# Altium PCB AVALON_hashunit.PcbDoc (part 4 of 5) (continued)
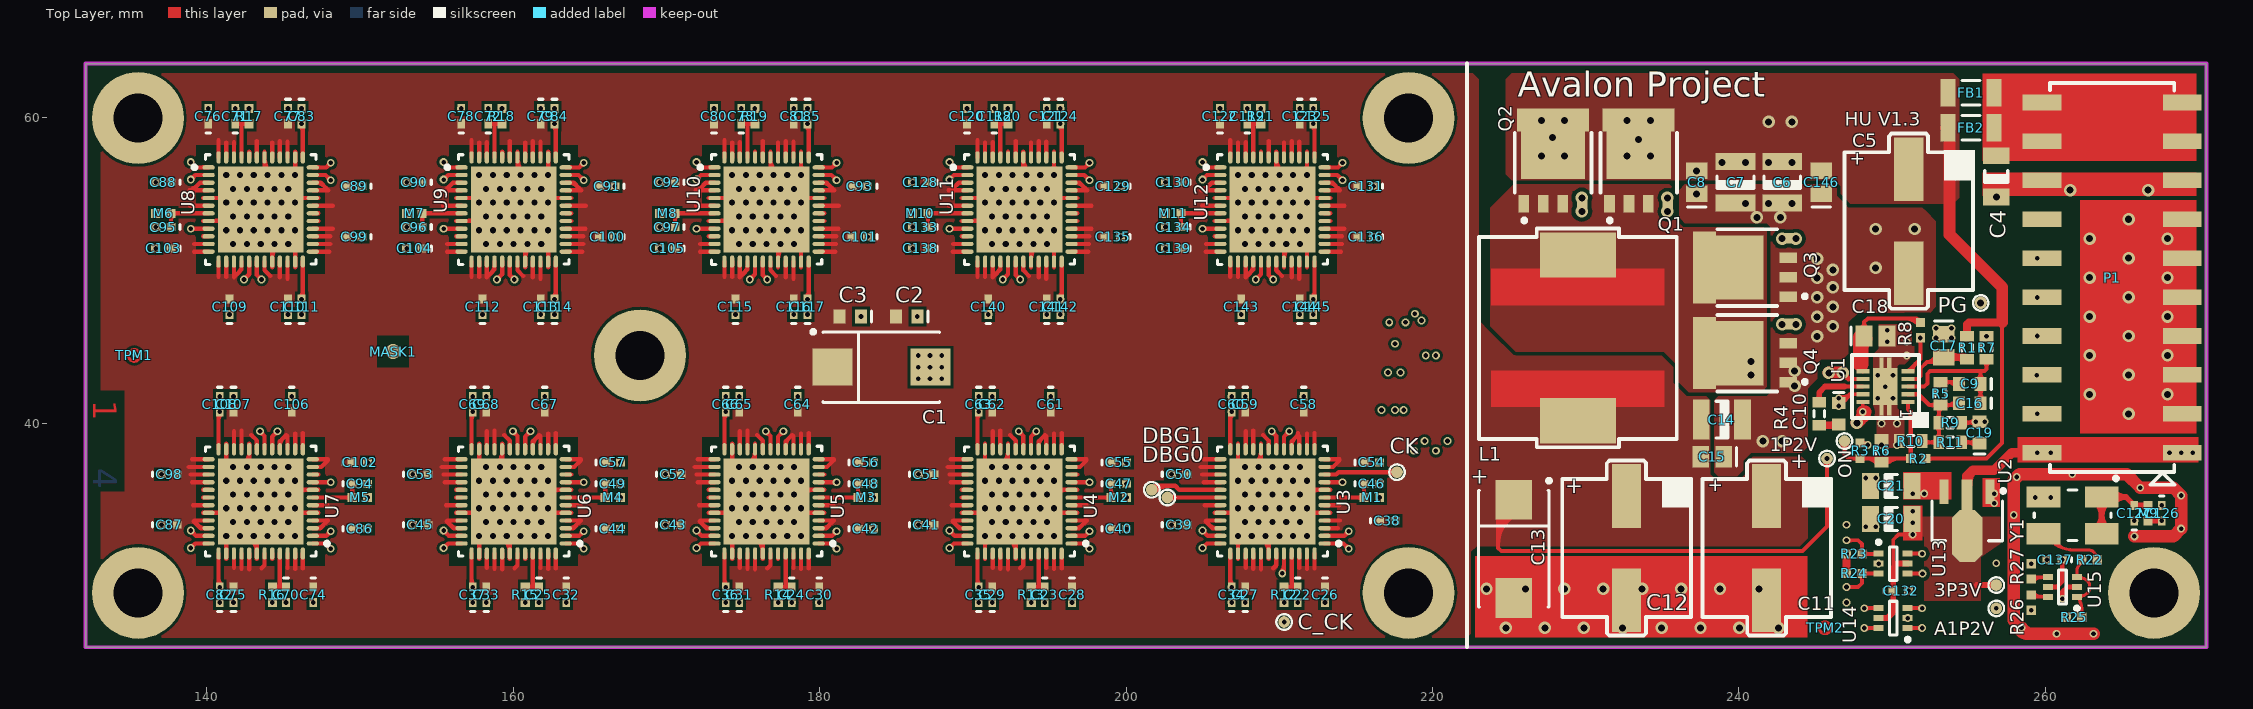
[diagram p0: Top Layer view]
## Nets (pads, with @x,y where several pads share a name; then routed paths per layer and width w, separated by ;. In a path a pad name is that pad's centre, name@x,y a point inside that pad or via, vN(x,y) a via of type N, cw(c..) or ccw(c..) an arc to the next point about the centre after c; other vN are vias at no path point) (continued)
REPORT_N: R24.1 U3.17 U4.17 U5.17 U6.17 U7.17 U8.17 U9.17 U10.17 U11.17 U12.17 U13.3 | length 230.8
  Top Layer w0.254: v4(247.015,29.337) 247.777,29.337 248.023,29.583 R24.1@248.023,30.099 ; v4@247.105,29.247 cw(c247.322,29.03) 247.322,29.337 cw(c247.322,29.644) v4@247.105,29.427 ; R24.1@247.901,30.104 cw(c247.605,29.808) 248.023,29.808 cw(c248.441,29.808) 248.145,30.104 cw(c248.404,29.845) 248.404,30.211 ; R24.1@248.023,30.226 R24.1@248.023,30.099 ; R24.1@248.145,30.348 ccw(c248.477,30.68) 248.477,30.211 ; U13.3@249.113,30.211 248.135,30.211 R24.1@248.023,30.099
  Top Layer w0.279: v4(142.415,49.403) 142.76,49.748 U8.17@142.76,50.45 ; v4@142.415,49.517 ccw(c142.415,49.793) 142.61,49.598 ccw(c142.805,49.403) v4@142.529,49.403 ; U7.17@144.26,38.45 144.26,39.152 v4(144.605,39.497) ; v4@144.491,39.497 cw(c144.215,39.497) 144.41,39.302 cw(c144.605,39.107) v4@144.605,39.383 ; v4(158.925,49.403) 159.27,49.748 U9.17@159.27,50.45 ; v4@158.925,49.517 ccw(c158.925,49.793) 159.12,49.598 ccw(c159.315,49.403) v4@159.039,49.403 ; U6.17@160.77,38.45 160.77,39.152 v4(161.115,39.497) ; v4@161.001,39.497 cw(c160.725,39.497) 160.92,39.302 cw(c161.115,39.107) v4@161.115,39.383 ; v4(175.435,49.403) 175.78,49.748 U10.17@175.78,50.45 ; v4@175.435,49.517 ccw(c175.435,49.793) 175.63,49.598 ccw(c175.825,49.403) v4@175.549,49.403 ; U5.17@177.28,38.45 177.28,39.152 v4(177.625,39.497) ; v4@177.511,39.497 cw(c177.235,39.497) 177.43,39.302 cw(c177.625,39.107) v4@177.625,39.383 ; v4(191.945,49.403) 192.29,49.748 U11.17@192.29,50.45 ; v4@191.945,49.517 ccw(c191.945,49.793) 192.14,49.598 ccw(c192.335,49.403) v4@192.059,49.403 ; U4.17@193.79,38.45 193.79,39.152 v4(194.135,39.497) ; v4@194.021,39.497 cw(c193.745,39.497) 193.94,39.302 cw(c194.135,39.107) v4@194.135,39.383 ; v4(208.455,49.403) 208.8,49.748 U12.17@208.8,50.45 ; v4@208.455,49.517 ccw(c208.455,49.793) 208.65,49.598 ccw(c208.845,49.403) v4@208.569,49.403 ; U3.17@210.3,38.45 210.3,39.152 v4(210.645,39.497) ; v4@210.531,39.497 cw(c210.255,39.497) 210.45,39.302 cw(c210.645,39.107) v4@210.645,39.383
  Mid-Layer 1 w0.254: v2@217.461,45.122 cw(c217.244,44.905) 217.551,44.905 cw(c217.858,44.905) v2@217.641,45.122 ; v2(217.551,45.212) 217.551,43.845 217.907,43.489 v2@217.907,43.383 ; 217.579,43.817 cw(c217.094,43.332) v2@217.78,43.332 ; v2@217.907,43.205 cw(c217.907,42.899) 218.123,43.116 cw(c218.34,43.332) v2@218.034,43.332 ; v2(217.907,43.332) 219.481,41.758 v2(219.481,38.862) ; v2@219.392,38.952 ccw(c219.175,39.169) 219.481,39.169 ccw(c219.788,39.169) v2@219.571,38.952
  Mid-Layer 2 w0.254: v4@142.415,49.276 cw(c142.415,48.595) 142.897,49.076 ; v4(142.415,49.403) 142.57,49.403 143.256,48.717 143.842,48.717 144.528,49.403 159.08,49.403 159.766,48.717 160.352,48.717 161.038,49.403 175.608,49.403 176.294,48.717 176.862,48.717 177.548,49.403 192.1,49.403 192.786,48.717 193.372,48.717 194.058,49.403 208.61,49.403 209.296,48.717 209.882,48.717 210.568,49.403 213.36,49.403 v2(217.551,45.212) ; v4@144.605,39.37 cw(c144.605,39.063) 144.822,39.28 cw(c145.039,39.497) v4@144.732,39.497 ; v4(144.605,39.497) 145.265,38.837 161.115,38.837 ; v4@158.835,49.313 ccw(c158.618,49.096) 158.618,49.403 ccw(c158.618,49.71) v4@158.835,49.493 ; v4@158.925,49.276 cw(c158.925,48.595) 159.407,49.076 ; v4@161.025,39.407 cw(c160.808,39.19) 161.115,39.19 cw(c161.422,39.19) v4@161.205,39.407 ; v4(161.115,39.497) 161.115,38.837 ; v4@175.345,49.313 ccw(c175.128,49.096) 175.128,49.403 ccw(c175.128,49.71) v4@175.345,49.493 ; v4@175.435,49.276 cw(c175.435,48.551) 175.947,49.064 ; v4@177.535,39.407 cw(c177.318,39.19) 177.625,39.19 cw(c177.932,39.19) v4@177.715,39.407 ; v4(177.625,39.497) 177.625,38.837 ; v4@191.855,49.313 ccw(c191.638,49.096) 191.638,49.403 ccw(c191.638,49.71) v4@191.855,49.493 ; v4@191.945,49.276 cw(c191.945,48.595) 192.427,49.076 ; v4@194.045,39.407 cw(c193.828,39.19) 194.135,39.19 cw(c194.442,39.19) v4@194.225,39.407 ; v4(194.135,39.497) 194.135,38.837 ; v4@208.365,49.313 ccw(c208.148,49.096) 208.148,49.403 ccw(c208.148,49.71) v4@208.365,49.493 ; v4@208.455,49.276 cw(c208.455,48.595) 208.937,49.076 ; v4@210.555,39.407 cw(c210.338,39.19) 210.645,39.19 cw(c210.952,39.19) v4@210.735,39.407 ; v4(210.645,39.497) 210.645,38.837 ; v2@217.424,45.212 ccw(c217.117,45.212) 217.334,45.429 ccw(c217.551,45.646) v2@217.551,45.339 ; 217.474,42.595 ccw(c216.737,43.332) v2@217.78,43.332 ; v2@217.817,43.242 cw(c217.604,43.028) 217.907,43.028 ; v2(217.907,43.332) 217.907,43.028 ; 217.908,43.029 ccw(c217.604,43.332) v2@218.034,43.332 ; v2@217.996,43.242 ccw(c218.209,43.028) 217.907,43.028 ; v2@219.392,38.772 cw(c219.175,38.555) 219.481,38.555 cw(c219.788,38.555) v2@219.571,38.772 ; v2(219.481,38.862) 219.481,36.551 221.463,34.569 241.71,34.569 246.942,29.337 v4(247.015,29.337) ; 246.674,29.605 ccw(c247.015,29.947) v4@247.015,29.464 ; 161.115,38.837 177.625,38.837 ; 177.625,38.837 194.135,38.837 ; 194.135,38.837 210.645,38.837 ; 210.645,38.837 213.716,38.837 216.027,41.148 216.027,41.157 216.399,41.529 216.408,41.529 217.907,43.028
REPORT_P: R23.1 U3.18 U4.18 U5.18 U6.18 U7.18 U8.18 U9.18 U10.18 U11.18 U12.18 U13.1 | length 230.5
  Top Layer w0.254: v4(247.015,32.385) 247.777,32.385 248.023,32.139 R23.1@248.023,31.496 U13.1@249.098,31.496 ; v4@247.105,32.295 cw(c247.322,32.078) 247.322,32.385 cw(c247.322,32.692) v4@247.105,32.475 ; R23.1@247.901,31.618 ccw(c247.605,31.914) 248.023,31.914 ccw(c248.441,31.914) 248.145,31.618 ccw(c248.441,31.914) 248.441,31.496 ccw(c248.441,31.078) R23.1@248.145,31.374 ; 248.776,31.496 ccw(c248.776,31.723) U13.1@248.936,31.563
  Top Layer w0.279: U8.18@143.26,50.45 143.26,49.701 v4(143.558,49.403) ; v4@143.444,49.403 ccw(c143.168,49.403) 143.363,49.598 ccw(c143.558,49.793) v4@143.558,49.517 ; v4@143.462,39.383 cw(c143.462,39.107) 143.657,39.302 cw(c143.852,39.497) v4@143.576,39.497 ; v4(143.462,39.497) 143.76,39.199 U7.18@143.76,38.45 ; U9.18@159.77,50.45 159.77,49.701 v4(160.068,49.403) ; v4@159.954,49.403 ccw(c159.678,49.403) 159.873,49.598 ccw(c160.068,49.793) v4@160.068,49.517 ; v4@159.972,39.383 cw(c159.972,39.107) 160.167,39.302 cw(c160.362,39.497) v4@160.086,39.497 ; v4(159.972,39.497) 160.27,39.199 U6.18@160.27,38.45 ; U10.18@176.28,50.45 176.28,49.701 v4(176.578,49.403) ; v4@176.464,49.403 ccw(c176.188,49.403) 176.383,49.598 ccw(c176.578,49.793) v4@176.578,49.517 ; v4@176.482,39.383 cw(c176.482,39.107) 176.677,39.302 cw(c176.872,39.497) v4@176.596,39.497 ; v4(176.482,39.497) 176.78,39.199 U5.18@176.78,38.45 ; U11.18@192.79,50.45 192.79,49.701 v4(193.088,49.403) ; v4@192.974,49.403 ccw(c192.698,49.403) 192.893,49.598 ccw(c193.088,49.793) v4@193.088,49.517 ; v4@192.992,39.383 cw(c192.992,39.107) 193.187,39.302 cw(c193.382,39.497) v4@193.106,39.497 ; v4(192.992,39.497) 193.29,39.199 U4.18@193.29,38.45 ; U12.18@209.3,50.45 209.3,49.701 v4(209.598,49.403) ; v4@209.484,49.403 ccw(c209.208,49.403) 209.403,49.598 ccw(c209.598,49.793) v4@209.598,49.517 ; v4@209.502,39.383 cw(c209.502,39.107) 209.697,39.302 cw(c209.892,39.497) v4@209.616,39.497 ; v4(209.502,39.497) 209.8,39.199 U3.18@209.8,38.45
  Mid-Layer 1 w0.254: v2@216.967,43.332 ccw(c216.66,43.332) 216.877,43.549 ccw(c217.094,43.766) v2@217.094,43.459 ; v2@217.043,46.609 cw(c216.736,46.609) 216.953,46.392 cw(c217.17,46.175) 217.17,46.482 cw(c217.17,45.941) 217.552,46.324 ; v2@217.094,43.175 v2(217.094,43.332) 216.789,43.637 216.789,46.228 v2(217.17,46.609) 217.267,46.609 218.313,45.563 218.313,43.934 220.193,42.055 220.193,38.252 v2(220.218,38.227) ; 220.193,38.595 ccw(c220.586,38.595) v2@220.308,38.317
  Mid-Layer 2 w0.254: v4(143.462,39.497) 143.617,39.497 144.303,40.183 144.889,40.183 145.575,39.497 v4(159.972,39.497) 160.145,39.497 160.831,40.183 161.399,40.183 162.085,39.497 v4(176.482,39.497) 176.637,39.497 177.323,40.183 177.909,40.183 178.595,39.497 v4(192.992,39.497) 193.165,39.497 193.851,40.183 194.419,40.183 195.105,39.497 v4(209.502,39.497) 209.657,39.497 210.356,40.195 214.033,40.195 217.17,43.332 v2(217.094,43.332) ; v4@143.462,39.624 ccw(c143.462,40.305) 143.944,39.824 ; v4(143.558,49.403) 144.244,50.089 160.068,50.089 ; v4@143.558,49.53 ccw(c143.558,49.837) 143.775,49.62 ccw(c143.992,49.403) v4@143.685,49.403 ; v4@159.882,39.407 ccw(c159.665,39.19) 159.665,39.497 ccw(c159.665,39.804) v4@159.882,39.587 ; v4@159.972,39.624 ccw(c159.972,40.349) 160.484,39.836 ; v4@159.978,49.493 ccw(c159.761,49.71) 160.068,49.71 ccw(c160.375,49.71) v4@160.158,49.493 ; v4(160.068,49.403) 160.068,50.089 ; 160.068,50.104 160.068,50.089 ; v4@176.392,39.407 ccw(c176.175,39.19) 176.175,39.497 ccw(c176.175,39.804) v4@176.392,39.587 ; v4@176.482,39.624 ccw(c176.482,40.305) 176.964,39.824 ; v4@176.488,49.493 ccw(c176.271,49.71) 176.578,49.71 ccw(c176.885,49.71) v4@176.668,49.493 ; v4(176.578,49.403) 176.578,50.089 ; 176.578,50.104 176.578,50.089 ; v4@192.902,39.407 ccw(c192.685,39.19) 192.685,39.497 ccw(c192.685,39.804) v4@192.902,39.587 ; v4@192.992,39.624 ccw(c192.992,40.349) 193.504,39.836 ; v4@192.998,49.493 ccw(c192.781,49.71) 193.088,49.71 ccw(c193.395,49.71) v4@193.178,49.493 ; v4(193.088,49.403) 193.088,50.089 ; 193.088,50.104 193.088,50.089 ; v4@209.412,39.407 ccw(c209.195,39.19) 209.195,39.497 ccw(c209.195,39.804) v4@209.412,39.587 ; v4@209.502,39.624 ccw(c209.502,40.305) 209.984,39.824 ; v4@209.508,49.493 ccw(c209.291,49.71) 209.598,49.71 ccw(c209.905,49.71) v4@209.688,49.493 ; v4(209.598,49.403) 209.598,50.089 ; 209.598,50.104 209.598,50.089 ; 216.823,42.986 ccw(c216.476,43.332) v2@216.967,43.332 ; v2@217.043,46.609 ccw(c216.736,46.609) 216.953,46.826 ccw(c217.17,47.043) v2@217.17,46.736 ; v2(217.17,46.609) 213.69,50.089 209.598,50.089 ; 220.193,37.859 cw(c220.586,37.859) v2@220.308,38.137 ; v2@220.193,38.227 220.193,36.855 221.92,35.128 241.986,35.128 244.729,32.385 v4(247.015,32.385) ; v4@246.925,32.295 ccw(c246.708,32.078) 246.708,32.385 ccw(c246.708,32.692) v4@246.925,32.475 ; 160.068,50.089 176.578,50.089 ; 176.578,50.089 193.088,50.089 ; 193.088,50.089 209.598,50.089
VCC1V2: 1P2V.1 C1.1 C2.2 C3.2 C11.1 C12.1 C13.1 C14.2 C15.2 C19.2 C26.1 C27.2 C28.1 C29.2 C30.1 C31.2 C32.1 C33.2 C38.1 C39.2 C40.1 C41.2 C42.1 C43.2 C44.1 C45.2 C50.2 C51.2 C52.2 C53.2 C54.1 C55.1 C56.1 C57.1 C58.2 C59.2 C61.2 C62.2 C64.2 C65.2 C67.2 C68.2 C74.1 C75.2 C76.1 C77.2 C78.1 C79.2 C80.1 C81.2 C86.1 C87.2 C88.1 C89.2 C90.1 C91.2 C92.1 C93.2 C98.2 C99.2 C100.2 C101.2 C102.1 C103.1 C104.1 C105.1 C106.2 C107.2 C109.2 C110.2 C112.2 C113.2 C115.2 C116.2 C120.1 C121.2 C122.1 C123.2 C128.1 C129.2 C130.1 C131.2 C135.2 C136.2 C138.1 C139.1 C140.2 C141.2 C143.2 C144.2 L1.2 R9.1 U3.3 U3.4 U3.6 U3.11 U3.12 U3.13 U3.14 U3.15 U3.16 U3.19 U3.21 U3.22 U3.25 U3.26 U3.27 U3.28 U3.31 U3.33 U3.34 U3.39 U3.40 U3.41 U3.43 U3.46 U3.47 U3.48 U4.3 U4.4 U4.6 U4.11 U4.12 U4.13 U4.14 U4.15 U4.16 U4.19 U4.21 U4.22 U4.25 U4.26 U4.27 U4.28 U4.31 U4.33 U4.34 U4.39 U4.40 U4.41 U4.43 U4.46 U4.47 U4.48 U5.3 U5.4 U5.6 U5.11 U5.12 U5.13 U5.14 U5.15 U5.16 U5.19 U5.21 U5.22 U5.25 U5.26 U5.27 U5.28 U5.31 U5.33 U5.34 U5.39 U5.40 U5.41 U5.43 U5.46 U5.47 U5.48 U6.3 U6.4 U6.6 U6.11 U6.12 U6.13 U6.14 U6.15 U6.16 U6.19 U6.21 U6.22 U6.25 U6.26 U6.27 U6.28 U6.31 U6.33 U6.34 U6.39 U6.40 U6.41 U6.43 U6.46 U6.47 U6.48 U7.3 U7.4 U7.6 U7.11 U7.12 U7.13 U7.14 U7.15 U7.16 U7.19 U7.21 U7.22 U7.25 U7.26 U7.27 U7.28 U7.31 U7.33 U7.34 U7.39 U7.40 U7.41 U7.43 U7.46 U7.47 U7.48 U8.3 U8.4 U8.6 U8.11 U8.12 U8.13 U8.14 U8.15 U8.16 U8.19 U8.21 U8.22 U8.25 U8.26 U8.27 U8.28 U8.31 U8.33 U8.34 U8.39 U8.40 U8.41 U8.43 U8.46 U8.47 U8.48 U9.3 U9.4 U9.6 U9.11 U9.12 U9.13 U9.14 U9.15 U9.16 U9.19 U9.21 U9.22 U9.25 U9.26 U9.27 U9.28 U9.31 U9.33 U9.34 U9.39 U9.40 U9.41 U9.43 U9.46 U9.47 U9.48 U10.3 U10.4 U10.6 U10.11 U10.12 U10.13 U10.14 U10.15 U10.16 U10.19 U10.21 U10.22 U10.25 U10.26 U10.27 U10.28 U10.31 U10.33 U10.34 U10.39 U10.40 U10.41 U10.43 U10.46 U10.47 U10.48 U11.3 U11.4 U11.6 U11.11 U11.12 U11.13 U11.14 U11.15 U11.16 U11.19 U11.21 U11.22 U11.25 U11.26 U11.27 U11.28 U11.31 U11.33 U11.34 U11.39 U11.40 U11.41 U11.43 U11.46 U11.47 U11.48 U12.3 U12.4 U12.6 U12.11 U12.12 U12.13 U12.14 U12.15 U12.16 U12.19 U12.21 U12.22 U12.25 U12.26 U12.27 U12.28 U12.31 U12.33 U12.34 U12.39 U12.40 U12.41 U12.43 U12.46 U12.47 U12.48 | length 315.9
  Top Layer w0.254: 224.282,32.103 cw(c226.554,32.103) C13.1@225.631,34.179 ; 224.282,32.494 cw(c226.38,32.494) C13.1@225.528,34.412 ; 224.282,32.885 cw(c226.206,32.885) C13.1@225.424,34.644 ; 224.282,33.276 cw(c226.033,33.276) C13.1@225.321,34.876 ; 224.282,33.667 cw(c225.859,33.667) C13.1@225.218,35.108 ; C13.1@224.282,34.012 224.282,31.877 224.485,31.674 244.145,31.674 245.745,33.274 v2(245.745,37.719) ; C13.1@224.282,34.058 cw(c225.685,34.058) C13.1@225.115,35.34 ; 1P2V.1@245.565,37.539 cw(c245.132,37.106) 245.745,37.106 cw(c246.358,37.106) 1P2V.1@245.925,37.539 ; 1P2V.1@245.655,37.629 cw(c245.438,37.412) 245.745,37.412 cw(c246.052,37.412) 1P2V.1@245.835,37.629 ; R9.1@254.545,40.054 C19.2@255.635,40.054 ; R9.1@254.703,39.896 cw(c255.083,39.516) 255.083,40.054 cw(c255.083,40.592) R9.1@254.703,40.212 ; R9.1@254.834,40.054 ccw(c254.834,40.935) C19.2@255.457,40.312 ; 254.982,40.054 ccw(c254.982,40.583) C19.2@255.356,40.209 ; 255.148,40.054 cw(c255.148,39.617) C19.2@255.457,39.926
  Top Layer w0.279: 138.822,37.175 U7.26@139.985,37.175 ; 138.867,55.225 U8.4@139.985,55.225 ; 138.917,54.225 U8.6@139.985,54.225 ; 138.935,36.675 U7.27@139.985,36.675 ; 139.02,36.175 U7.28@139.985,36.175 ; 139.021,37.675 U7.25@139.985,37.675 ; 139.094,34.675 U7.31@139.985,34.675 ; 139.099,55.356 139.175,55.356 139.544,55.725 U8.3@139.985,55.725 ; 139.141,33.625 139.591,33.175 U7.34@139.985,33.175 ; 139.16,51.225 U8.12@139.985,51.225 ; 139.177,51.725 U8.11@139.985,51.725 ; 139.191,33.675 U7.33@139.985,33.675 ; 139.407,33.359 ccw(c139.851,33.804) U7.34@139.851,33.175 ; 140.76,49.588 U8.13@140.76,50.45 ; U8.48@140.76,57.5 140.76,58.503 ; 141.26,49.566 U8.14@141.26,50.45 ; U8.47@141.26,57.5 141.26,58.354 ; 141.76,30.584 U7.39@141.76,31.4 ; U7.22@141.76,38.45 141.76,39.494 ; 141.76,49.558 U8.15@141.76,50.45 ; U8.46@141.76,57.5 141.76,58.367 ; 141.892,49.688 142.26,50.056 U8.16@142.26,50.45 ; 142.076,49.872 ccw(c141.631,50.316) U8.16@142.26,50.316 ; 142.26,30.525 U7.40@142.26,31.4 ; U7.21@142.26,38.45 142.26,39.553 ; 142.76,30.492 U7.41@142.76,31.4 ; 142.891,39.26 143.26,38.891 U7.19@143.26,38.45 ; U8.43@143.26,57.5 143.26,58.449 ; 143.561,30.556 143.76,30.755 U7.43@143.76,31.4 ; U8.19@143.76,50.45 143.76,50.009 144.129,49.64 ; U8.41@144.26,57.5 144.26,58.356 ; U7.16@144.76,38.45 144.76,38.844 145.177,39.26 ; U7.16@144.76,38.584 cw(c145.389,38.584) 144.944,39.028 ; 144.76,49.55 U8.21@144.76,50.45 ; U8.40@144.76,57.5 144.76,58.425 ; 145.26,30.579 U7.46@145.26,31.4 ; U7.15@145.26,38.45 145.26,39.177 ; 145.26,49.456 U8.22@145.26,50.45 ; U8.39@145.26,57.5 145.26,58.397 ; 145.76,30.516 U7.47@145.76,31.4 ; U7.14@145.76,38.45 145.76,39.355 ; 146.26,30.549 U7.48@146.26,31.4 ; U7.13@146.26,38.45 146.26,39.389 ; U7.3@147.035,33.175 147.399,33.175 147.899,33.675 U7.4@147.035,33.675 ; U7.6@147.035,34.675 147.875,34.675 ; U7.11@147.035,37.175 147.458,37.175 147.886,37.603 ; U7.12@147.035,37.675 147.886,37.675 ; U8.25@147.035,51.225 147.987,51.225 ; U8.26@147.035,51.725 148.046,51.725 ; U8.27@147.035,52.225 148.054,52.225 ; U8.28@147.035,52.725 148.204,52.725 ; U8.31@147.035,54.225 148.213,54.225 ; U8.33@147.035,55.225 147.924,55.225 ; U8.34@147.035,55.725 147.429,55.725 147.797,55.357 ; U7.3@147.169,33.175 ccw(c147.169,33.731) 147.562,33.338 ; U8.34@147.169,55.725 cw(c147.169,55.096) 147.613,55.541 ; 155.332,37.175 U6.26@156.495,37.175 ; 155.377,55.225 U9.4@156.495,55.225 ; 155.427,54.225 U9.6@156.495,54.225 ; 155.445,36.675 U6.27@156.495,36.675 ; 155.53,36.175 U6.28@156.495,36.175 ; 155.531,37.675 U6.25@156.495,37.675 ; 155.604,34.675 U6.31@156.495,34.675 ; 155.651,33.625 156.101,33.175 U6.34@156.495,33.175 ; 155.67,51.225 U9.12@156.495,51.225 ; 155.685,55.356 156.054,55.725 U9.3@156.495,55.725 ; 155.687,51.725 U9.11@156.495,51.725 ; 155.701,33.675 U6.33@156.495,33.675 ; 155.917,33.359 ccw(c156.361,33.804) U6.34@156.361,33.175 ; 157.27,49.588 U9.13@157.27,50.45 ; U9.48@157.27,57.5 157.27,58.503 ; 157.77,49.566 U9.14@157.77,50.45 ; U9.47@157.77,57.5 157.77,58.354 ; 158.27,30.584 U6.39@158.27,31.4 ; U6.22@158.27,38.45 158.27,39.494 ; 158.27,49.558 U9.15@158.27,50.45 ; U9.46@158.27,57.5 158.27,58.367 ; 158.402,49.688 158.77,50.056 U9.16@158.77,50.45 ; 158.586,49.872 ccw(c158.141,50.316) U9.16@158.77,50.316 ; 158.77,30.525 U6.40@158.77,31.4 ; U6.21@158.77,38.45 158.77,39.553 ; 159.27,30.492 U6.41@159.27,31.4 ; 159.401,39.26 159.77,38.891 U6.19@159.77,38.45 ; U9.43@159.77,57.5 159.77,58.449 ; 160.071,30.556 160.27,30.755 U6.43@160.27,31.4 ; U9.19@160.27,50.45 160.27,50.009 160.639,49.64 ; U9.41@160.77,57.5 160.77,58.356 ; U6.16@161.27,38.45 161.27,38.844 161.687,39.26 ; U6.16@161.27,38.584 cw(c161.899,38.584) 161.454,39.028 ; 161.27,49.55 U9.21@161.27,50.45 ; U9.40@161.27,57.5 161.27,58.425 ; 161.77,30.579 U6.46@161.77,31.4 ; U6.15@161.77,38.45 161.77,39.177 ; 161.77,49.456 U9.22@161.77,50.45 ; U9.39@161.77,57.5 161.77,58.397 ; 162.27,30.516 U6.47@162.27,31.4 ; U6.14@162.27,38.45 162.27,39.355 ; 162.77,30.549 U6.48@162.77,31.4 ; U6.13@162.77,38.45 162.77,39.389 ; U6.3@163.545,33.175 163.909,33.175 164.409,33.675 U6.4@163.545,33.675 ; U6.6@163.545,34.675 164.385,34.675 ; U6.11@163.545,37.175 163.968,37.175 164.396,37.603 ; U6.12@163.545,37.675 164.396,37.675 ; U9.25@163.545,51.225 164.497,51.225 ; U9.26@163.545,51.725 164.556,51.725 ; U9.27@163.545,52.225 164.564,52.225 ; U9.28@163.545,52.725 164.714,52.725 ; U9.31@163.545,54.225 164.723,54.225 ; U9.33@163.545,55.225 164.434,55.225 ; U9.34@163.545,55.725 163.939,55.725 164.307,55.357 ; U6.3@163.679,33.175 ccw(c163.679,33.731) 164.072,33.338 ; U9.34@163.679,55.725 cw(c163.679,55.096) 164.123,55.541 ; 171.842,37.175 U5.26@173.005,37.175 ; 171.887,55.225 U10.4@173.005,55.225 ; 171.937,54.225 U10.6@173.005,54.225 ; 171.955,36.675 U5.27@173.005,36.675 ; 172.04,36.175 U5.28@173.005,36.175 ; 172.041,37.675 U5.25@173.005,37.675 ; 172.114,34.675 U5.31@173.005,34.675 ; 172.161,33.625 172.611,33.175 U5.34@173.005,33.175 ; 172.18,51.225 U10.12@173.005,51.225 ; 172.195,55.356 172.564,55.725 U10.3@173.005,55.725 ; 172.197,51.725 U10.11@173.005,51.725 ; 172.211,33.675 U5.33@173.005,33.675 ; 172.427,33.359 ccw(c172.871,33.804) U5.34@172.871,33.175 ; 173.78,49.588 U10.13@173.78,50.45 ; U10.48@173.78,57.5 173.78,58.503 ; 174.28,49.566 U10.14@174.28,50.45 ; U10.47@174.28,57.5 174.28,58.354 ; 174.78,30.584 U5.39@174.78,31.4 ; U5.22@174.78,38.45 174.78,39.494 ; 174.78,49.558 U10.15@174.78,50.45 ; U10.46@174.78,57.5 174.78,58.367 ; 174.912,49.688 175.28,50.056 U10.16@175.28,50.45 ; 175.096,49.872 ccw(c174.651,50.316) U10.16@175.28,50.316 ; 175.28,30.525 U5.40@175.28,31.4 ; U5.21@175.28,38.45 175.28,39.553 ; 175.78,30.492 U5.41@175.78,31.4 ; 175.911,39.26 176.28,38.891 U5.19@176.28,38.45 ; U10.43@176.28,57.5 176.28,58.449 ; 176.581,30.556 176.78,30.755 U5.43@176.78,31.4 ; U10.19@176.78,50.45 176.78,50.009 177.149,49.64 ; U10.41@177.28,57.5 177.28,58.356 ; U5.16@177.78,38.45 177.78,38.844 178.197,39.26 ; U5.16@177.78,38.584 cw(c178.409,38.584) 177.964,39.028 ; 177.78,49.55 U10.21@177.78,50.45 ; U10.40@177.78,57.5 177.78,58.425 ; 178.28,30.579 U5.46@178.28,31.4 ; U5.15@178.28,38.45 178.28,39.177 ; 178.28,49.456 U10.22@178.28,50.45 ; U10.39@178.28,57.5 178.28,58.397 ; 178.78,30.516 U5.47@178.78,31.4 ; U5.14@178.78,38.45 178.78,39.355 ; 179.28,30.549 U5.48@179.28,31.4 ; U5.13@179.28,38.45 179.28,39.389 ; U5.3@180.055,33.175 180.419,33.175 180.919,33.675 U5.4@180.055,33.675 ; U5.6@180.055,34.675 180.895,34.675 ; U5.11@180.055,37.175 180.478,37.175 180.906,37.603 ; U5.12@180.055,37.675 180.906,37.675 ; U10.25@180.055,51.225 181.007,51.225 ; U10.26@180.055,51.725 181.066,51.725 ; U10.27@180.055,52.225 181.074,52.225 ; U10.28@180.055,52.725 181.224,52.725 ; U10.31@180.055,54.225 181.233,54.225 ; U10.33@180.055,55.225 180.944,55.225 ; U10.34@180.055,55.725 180.449,55.725 180.817,55.357 ; U5.3@180.189,33.175 ccw(c180.189,33.731) 180.582,33.338 ; U10.34@180.189,55.725 cw(c180.189,55.096) 180.633,55.541 ; 188.352,37.175 U4.26@189.515,37.175 ; 188.397,55.225 U11.4@189.515,55.225 ; 188.447,54.225 U11.6@189.515,54.225 ; 188.465,36.675 U4.27@189.515,36.675 ; 188.55,36.175 U4.28@189.515,36.175 ; 188.551,37.675 U4.25@189.515,37.675 ; 188.624,34.675 U4.31@189.515,34.675 ; 188.671,33.625 189.121,33.175 U4.34@189.515,33.175 ; 188.69,51.225 U11.12@189.515,51.225 ; 188.705,55.356 189.074,55.725 U11.3@189.515,55.725 ; 188.707,51.725 U11.11@189.515,51.725 ; 188.721,33.675 U4.33@189.515,33.675 ; 188.937,33.359 ccw(c189.381,33.804) U4.34@189.381,33.175 ; 190.29,49.588 U11.13@190.29,50.45 ; U11.48@190.29,57.5 190.29,58.503 ; 190.79,49.566 U11.14@190.79,50.45 ; U11.47@190.79,57.5 190.79,58.354 ; 191.29,30.584 U4.39@191.29,31.4 ; U4.22@191.29,38.45 191.29,39.494 ; 191.29,49.558 U11.15@191.29,50.45 ; U11.46@191.29,57.5 191.29,58.367 ; 191.422,49.688 191.79,50.056 U11.16@191.79,50.45 ; 191.606,49.872 ccw(c191.161,50.316) U11.16@191.79,50.316 ; 191.79,30.525 U4.40@191.79,31.4 ; U4.21@191.79,38.45 191.79,39.553 ; 192.29,30.492 U4.41@192.29,31.4 ; 192.421,39.26 192.79,38.891 U4.19@192.79,38.45 ; U11.43@192.79,57.5 192.79,58.449 ; 193.091,30.556 193.29,30.755 U4.43@193.29,31.4 ; U11.19@193.29,50.45 193.29,50.009 193.659,49.64 ; U11.41@193.79,57.5 193.79,58.356 ; U4.16@194.29,38.45 194.29,38.844 194.707,39.26 ; U4.16@194.29,38.584 cw(c194.919,38.584) 194.474,39.028 ; 194.29,49.55 U11.21@194.29,50.45 ; U11.40@194.29,57.5 194.29,58.425 ; 194.79,30.579 U4.46@194.79,31.4 ; U4.15@194.79,38.45 194.79,39.177 ; 194.79,49.456 U11.22@194.79,50.45 ; U11.39@194.79,57.5 194.79,58.397 ; 195.29,30.516 U4.47@195.29,31.4 ; U4.14@195.29,38.45 195.29,39.355 ; 195.79,30.549 U4.48@195.79,31.4 ; U4.13@195.79,38.45 195.79,39.389 ; U4.3@196.565,33.175 196.929,33.175 197.434,33.68 ; U4.4@196.565,33.675 197.429,33.675 ; U4.6@196.565,34.675 197.405,34.675 ; U4.11@196.565,37.175 196.988,37.175 197.416,37.603 ; U4.12@196.565,37.675 197.416,37.675 ; U11.25@196.565,51.225 197.517,51.225 ; U11.26@196.565,51.725 197.576,51.725 ; U11.27@196.565,52.225 197.584,52.225 ; U11.28@196.565,52.725 197.734,52.725 ; U11.31@196.565,54.225 197.743,54.225 ; U11.33@196.565,55.225 197.454,55.225 ; U11.34@196.565,55.725 196.959,55.725 197.327,55.357 ; U4.3@196.699,33.175 ccw(c196.699,33.731) 197.092,33.338 ; U11.34@196.699,55.725 cw(c196.699,55.096) 197.143,55.541 ; 204.862,37.175 U3.26@206.025,37.175 ; 204.907,55.225 U12.4@206.025,55.225 ; 204.957,54.225 U12.6@206.025,54.225 ; 204.975,36.675 U3.27@206.025,36.675 ; 205.06,36.175 U3.28@206.025,36.175 ; 205.061,37.675 U3.25@206.025,37.675 ; 205.134,34.675 U3.31@206.025,34.675 ; 205.181,33.625 205.631,33.175 U3.34@206.025,33.175 ; 205.2,51.225 U12.12@206.025,51.225 ; 205.215,55.356 205.584,55.725 U12.3@206.025,55.725 ; 205.217,51.725 U12.11@206.025,51.725 ; 205.231,33.675 U3.33@206.025,33.675 ; 205.447,33.359 ccw(c205.891,33.804) U3.34@205.891,33.175 ; 206.8,49.588 U12.13@206.8,50.45 ; U12.48@206.8,57.5 206.8,58.503 ; 207.3,49.566 U12.14@207.3,50.45 ; U12.47@207.3,57.5 207.3,58.354 ; 207.8,30.584 U3.39@207.8,31.4 ; U3.22@207.8,38.45 207.8,39.494 ; 207.8,49.558 U12.15@207.8,50.45 ; U12.46@207.8,57.5 207.8,58.367 ; 207.932,49.688 208.3,50.056 U12.16@208.3,50.45 ; 208.116,49.872 ccw(c207.671,50.316) U12.16@208.3,50.316 ; 208.3,30.525 U3.40@208.3,31.4 ; U3.21@208.3,38.45 208.3,39.553 ; 208.8,30.492 U3.41@208.8,31.4 ; 208.931,39.26 209.3,38.891 U3.19@209.3,38.45 ; U12.43@209.3,57.5 209.3,58.449 ; 209.601,30.556 209.8,30.755 U3.43@209.8,31.4 ; U12.19@209.8,50.45 209.8,50.009 210.169,49.64 ; U12.41@210.3,57.5 210.3,58.356 ; U3.16@210.8,38.45 210.8,38.844 211.217,39.26 211.217,39.386 ; U3.16@210.8,38.584 cw(c211.429,38.584) 210.984,39.028 ; 210.8,49.55 U12.21@210.8,50.45 ; U12.40@210.8,57.5 210.8,58.425 ; 211.3,30.579 U3.46@211.3,31.4 ; U3.15@211.3,38.45 211.3,39.177 ; 211.3,49.456 U12.22@211.3,50.45 ; U12.39@211.3,57.5 211.3,58.397 ; 211.8,30.516 U3.47@211.8,31.4 ; U3.14@211.8,38.45 211.8,39.355 ; 212.3,30.549 U3.48@212.3,31.4 ; U3.13@212.3,38.45 212.3,39.389 ; U3.3@213.075,33.175 213.82,33.175 ; U3.4@213.075,33.675 213.939,33.675 ; U3.6@213.075,34.675 213.915,34.675 ; U3.11@213.075,37.175 213.498,37.175 213.926,37.603 ; U3.12@213.075,37.675 213.926,37.675 ; U12.25@213.075,51.225 214.027,51.225 ; U12.26@213.075,51.725 214.086,51.725 ; U12.27@213.075,52.225 214.094,52.225 ; U12.28@213.075,52.725 214.244,52.725 ; U12.31@213.075,54.225 214.253,54.225 ; U12.33@213.075,55.225 213.964,55.225 ; U12.34@213.075,55.725 213.469,55.725 213.837,55.357 ; U12.34@213.209,55.725 cw(c213.209,55.096) 213.653,55.541
  Mid-Layer 2 w0.254: v2(245.745,37.719) 247.293,39.267 248.097,39.267 248.15,39.319 254.646,39.319 v2(255.446,40.119) 255.459,40.132 v2(256.032,40.132) ; v2@245.745,37.846 ccw(c245.745,38.153) 245.962,37.936 ccw(c246.179,37.719) v2@245.872,37.719 ; v2@255.319,40.119 cw(c255.012,40.119) 255.229,39.902 cw(c255.446,39.685) v2@255.446,39.992 ; v2@255.536,40.029 cw(c255.784,39.781) v2@255.784,40.132 ; v2@255.536,40.209 ccw(c255.721,40.394) 255.721,40.132 ; 255.716,40.114 cw(c255.773,39.901) v2@255.937,40.048 ; v2@255.942,40.042 ccw(c255.725,39.825) 255.725,40.132 ccw(c255.725,40.439) v2@255.942,40.222